# Altium PCB CM4 to FMC Adapter r2.0.PcbDoc (part 2 of 3) (continued)
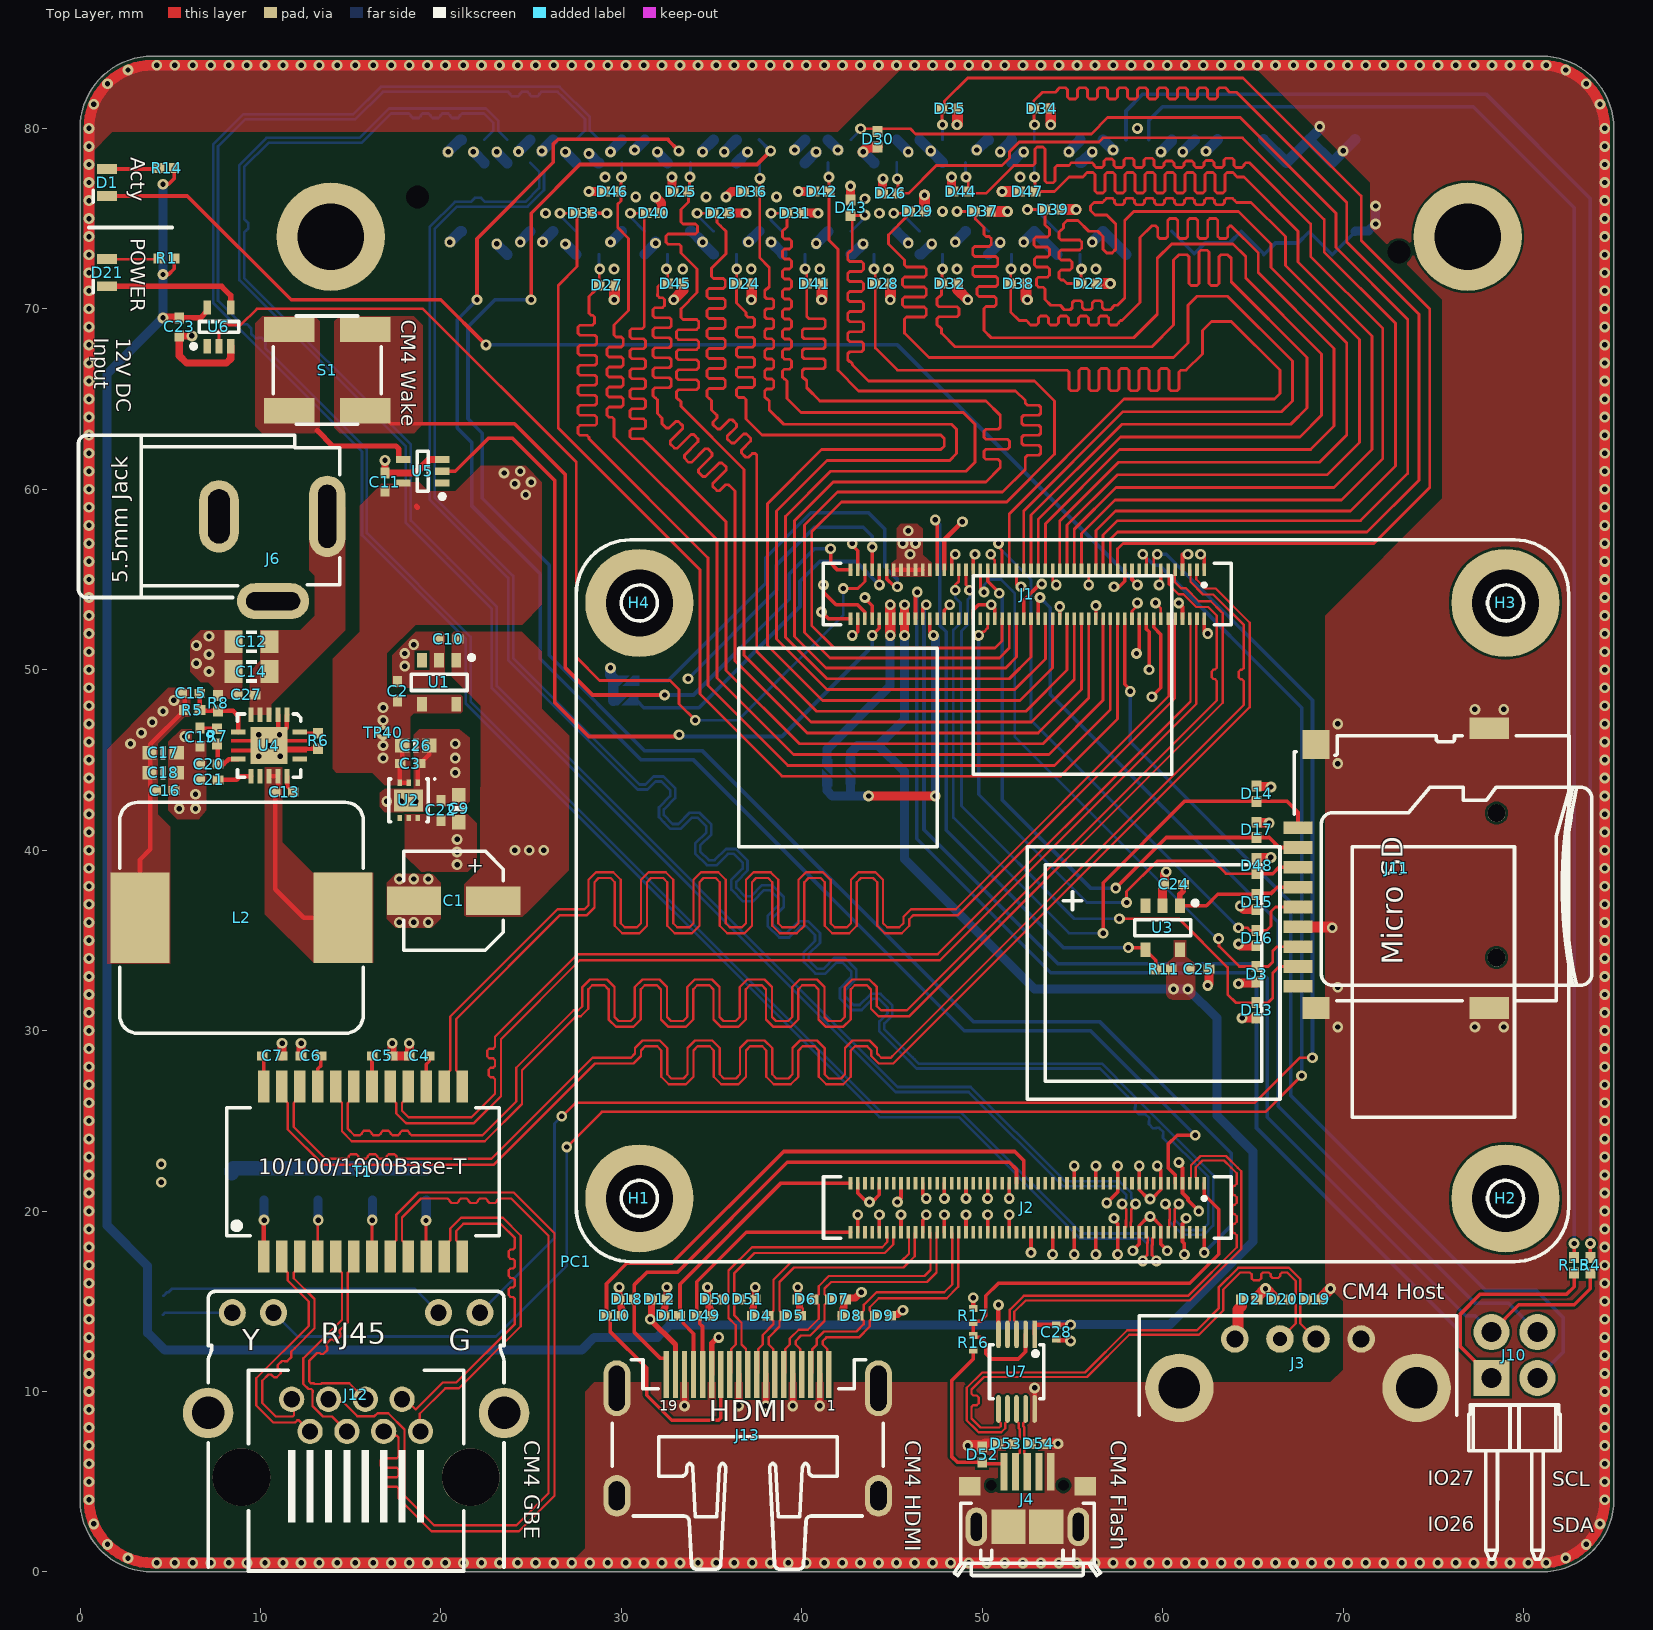
[diagram p0: Top Layer view]
## Nets (pads, with @x,y where several pads share a name; then routed paths per layer and width w, separated by ;. In a path a pad name is that pad's centre, name@x,y a point inside that pad or via, vN(x,y) a via of type N, cw(c..) or ccw(c..) an arc to the next point about the centre after c; other vN are vias at no path point) (continued)
  Bottom Layer w0.2: J14.G32@60.505,74.295 61.75,73.05 62.35,73.65 63.7,73.65 64.35,74.3 65.6,73.05 65.6,73 66.25,73.65 67.5,73.65 68.1,74.25 68.15,74.25 69.4,73 J14.G40@70.65,74.25
  Bottom Layer w0.5: J14.G40@70.665,74.295 70.692,74.322 71.395,74.322 71.773,74.7 v1(71.8,74.7) v1(71.8,75.7)
  Bottom Layer w0.6: v1(8.25,0.5) v1@4,0.5 ; v1(10.25,0.5) v1@4,0.5 ; v1(20.4,78.7) 21.059,79.359 J14.C1@21.133,79.359 ; v1(20.5,73.7) 21.079,74.279 J14.G1@21.133,74.279 ; v1(21.8,78.7) 22.403,78.097 J14.D2@22.403,78.089 ; v1(23.1,73.6) 23.1,73.581 J14.H3@23.673,73.009 ; v1(23.1,78.7) 23.1,78.661 J14.D3@23.673,78.089 ; v1@24.3,78.7 v1(24.3,78.716) J14.C4@24.943,79.359 ; v1(24.4,73.7) 24.4,73.736 J14.G4@24.943,74.279 ; v1(25.25,83.5) v1(22.25,83.5) ; v1@25.6,78.7 v1(25.6,78.746) J14.C5@26.213,79.359 ; v1(25.634,73.7) J14.G5@26.213,74.279 ; v1(26.9,73.591) J14.H6@27.483,73.009 ; v1(26.9,78.7) 26.9,78.671 J14.D6@27.483,78.089 ; v1(28.2,78.6) 28.711,78.089 J14.D7@28.753,78.089 ; v1(29.4,50.1) 29.4,49.7 29.6,49.5 SJ2.2@29.6,49.4 29.55,49.35 SJ4.2@29.55,48.3 ; v1(29.4,73.7) 29.444,73.7 J14.G8@30.023,74.279 ; v1(29.4,78.7) 29.4,78.736 J14.C8@30.023,79.359 ; v1@30.7,78.8 v1(30.734,78.8) J14.C9@31.293,79.359 ; v1(31.25,83.5) v1(22.25,83.5) ; J14.H9@31.295,73.025 v1(31.9,73.63) v1@31.9,73.7 ; v1(32,78.7) 32,78.651 J14.D10@32.563,78.089 ; v1(33.25,83.5) v1(22.25,83.5) ; J14.G11@33.835,74.295 33.905,74.295 v1(34.5,73.7) 34.5,73.63 J14.H12@35.105,73.025 ; v1(34.5,78.7) 34.5,78.756 J14.C12@35.103,79.359 ; v1(35.7,78.7) 36.359,79.359 J14.C13@36.373,79.359 ; v1(36.25,83.5) v1(22.25,83.5) ; J14.D13@36.373,78.089 36.389,78.089 v1(37,78.7) ; v1@37,73.7 v1(37.05,73.7) J14.G14@37.645,74.295 ; v1(38.3,73.7) 38.915,73.085 J14.H15@38.915,73.025 ; v1(39.6,78.8) 39.624,78.8 J14.C16@40.183,79.359 ; J14.D16@40.183,78.089 v1(40.794,78.7) v1@40.8,78.7 ; v1@40.8,73.6 v1(40.8,73.626) J14.G17@41.453,74.279 ; J14.C17@41.453,79.359 42,78.811 v1(42,78.8) ; J14.H18@42.725,73.025 42.825,73.025 v1(43.4,73.6) ; v1(43.4,78.7) 43.993,78.107 J14.D19@43.993,78.089 ; J14.C20@45.263,79.359 45.9,78.721 v1(45.9,78.7) ; J14.G20@45.265,74.295 45.265,74.276 v1(45.898,73.644) ; v1(46.25,0.5) v1(43.25,0.5) ; v1(46.25,83.5) v1(43.25,83.5) ; J14.C21@46.533,79.359 46.541,79.359 v1(47.15,78.75) 47.2,78.7 47.21,78.7 J14.D22@47.805,78.105 ; J14.H21@46.535,73.025 46.625,73.025 v1(47.2,73.6) ; v1(48.5,73.7) 49.075,74.275 J14.G23@49.075,74.295 ; v1@49.65,78.8 v1(49.7,78.8) 50.259,79.359 J14.C24@50.343,79.359 ; v1(50.25,83.5) v1(43.25,83.5) ; J14.H24@50.345,73.025 v1(51,73.68) v1@51,73.7 ; v1(51,78.7) 51.615,79.315 J14.C25@51.615,79.375 ; J14.D25@51.615,78.105 52.21,78.7 v1(52.3,78.7) ; v1(52.25,0.5) v1(50.25,0.5) ; v1(52.25,83.5) v1(43.25,83.5) ; v1(52.3,73.7) 52.885,74.285 J14.G26@52.885,74.295 ; J14.G26@52.883,74.279 J14.H27@54.153,73.009 ; v1(54.8,78.7) 55.425,79.325 J14.C28@55.425,79.375 ; v1(55.25,0.5) v1(50.25,0.5) ; v1(55.25,83.5) v1(43.25,83.5) ; J14.D28@55.425,78.105 55.505,78.105 v1(56.1,78.7) ; v1(56.1,73.7) J14.G29@56.695,74.295 ; J14.G29@56.693,74.279 J14.H30@57.963,73.009 ; J14.C29@56.693,79.359 v1(57.251,78.8) v1@57.3,78.8 ; v1(57.25,83.5) v1(43.25,83.5) ; v1(59.25,0.5) v1(50.25,0.5) ; v1(59.9,78.7) 60.503,79.303 J14.C32@60.503,79.359 ; v1@61.1,78.7 v1(61.114,78.7) J14.C33@61.773,79.359 ; v1(61.25,0.5) v1(50.25,0.5) ; v1(62.4,78.73) J14.C34@63.045,79.375 ; J14.C36@65.585,79.375 J14.D37@66.855,78.105 J14.C38@68.125,79.375 ; v1@68.7,80.15 v1(68.7,80.1) 68.7,79.95 J14.C38@68.125,79.375 ; J14.C40@70.665,79.375 J14.D39@69.395,78.105 J14.C38@68.125,79.375 ; v1(71.25,83.5) v1(68.25,83.5) ; v1(84.5,8) v1(84.5,4) ; v1(84.5,23) v1(84.5,17) ; v1(84.5,24) v1(84.5,17) ; v1(84.5,31) v1(84.5,35) ; v1(84.5,38) v1(84.5,35) ; v1(84.5,52) v1(84.5,48) ; v1(84.5,58) v1(84.5,57) ; v1(84.5,64) v1(84.5,57) ; v1(84.5,71) v1(84.5,68) ; v1(84.5,72) v1(84.5,68) ; v1@4,0.5 cw(c4,4) v1(0.5,4) v1(0.5,5) v1(0.5,6) v1(0.5,7) v1(0.5,8) v1(0.5,9) v1(0.5,10) v1(0.5,11) v1(0.5,12) v1(0.5,13) v1(0.5,14) v1(0.5,15) v1(0.5,16) v1(0.5,17) v1(0.5,18) v1(0.5,19) v1(0.5,20) v1(0.5,21) v1(0.5,22) v1(0.5,23) v1(0.5,24) v1(0.5,25) v1(0.5,26) v1(0.5,27) v1(0.5,28) v1(0.5,29) v1(0.5,30) v1(0.5,31) v1(0.5,32) v1(0.5,33) v1(0.5,34) v1(0.5,35) v1(0.5,36) v1(0.5,37) v1(0.5,38) v1(0.5,39) v1(0.5,40) v1(0.5,41) v1(0.5,42) v1(0.5,43) v1(0.5,44) v1(0.5,45) v1(0.5,46) v1(0.5,47) v1(0.5,48) v1(0.5,49) v1(0.5,50) v1(0.5,51) v1(0.5,52) v1(0.5,53) v1(0.5,54) v1(0.5,55) v1(0.5,56) v1(0.5,57) v1(0.5,58) v1(0.5,59) v1(0.5,60) v1(0.5,61) v1(0.5,62) v1(0.5,63) v1(0.5,64) v1(0.5,65) v1(0.5,66) v1(0.5,67) v1(0.5,68) v1(0.5,69) v1(0.5,70) v1(0.5,71) v1(0.5,72) v1(0.5,73) v1(0.5,74) v1(0.5,75) v1(0.5,76) v1(0.5,77) v1(0.5,78) v1(0.5,79) v1(0.5,80) cw(c4,80) 4,83.5 v1(4.25,83.5) v1(6.25,83.5) v1(7.25,83.5) v1(8.25,83.5) v1(10.25,83.5) v1(11.25,83.5) v1(12.25,83.5) v1(13.25,83.5) v1(14.25,83.5) v1(15.25,83.5) v1(16.25,83.5) v1(17.25,83.5) v1(20.25,83.5) v1(22.25,83.5) ; v1@4,0.5 v1(14.25,0.5) v1(16.25,0.5) v1(17.25,0.5) v1(18.25,0.5) v1(19.25,0.5) v1(20.25,0.5) v1(21.25,0.5) v1(22.25,0.5) v1(23.25,0.5) v1(24.25,0.5) v1(25.25,0.5) v1(26.25,0.5) v1(27.25,0.5) v1(28.25,0.5) v1(29.25,0.5) v1(30.25,0.5) v1(31.25,0.5) v1(32.25,0.5) v1(33.25,0.5) v1(34.25,0.5) v1(35.25,0.5) v1(36.25,0.5) v1(37.25,0.5) v1(38.25,0.5) v1(39.25,0.5) v1(40.25,0.5) v1(41.25,0.5) v1(42.25,0.5) v1(43.25,0.5) ; v1(22.25,83.5) v1(39.25,83.5) v1(42.25,83.5) v1(43.25,83.5) ; v1(43.25,0.5) v1(48.25,0.5) v1(50.25,0.5) ; v1(43.25,83.5) v1(60.25,83.5) v1(62.25,83.5) v1(63.25,83.5) v1(67.25,83.5) v1(68.25,83.5) ; v1(50.25,0.5) v1(64.25,0.5) v1(67.25,0.5) v1(68.25,0.5) v1(71.25,0.5) v1(74.25,0.5) v1(76.25,0.5) v1(79.25,0.5) 81,0.5 ccw(c81,4) v1(84.5,4) ; v1(68.25,83.5) v1(76.25,83.5) v1(78.25,83.5) 81,83.5 cw(c81,80) v1(84.5,80) v1(84.5,78) v1(84.5,68) ; v1(84.5,4) v1(84.5,13) v1(84.5,15) v1(84.5,17) ; v1(84.5,17) v1(84.5,26) v1(84.5,29) v1(84.5,35) ; v1(84.5,35) v1(84.5,42) v1(84.5,46) v1(84.5,48) ; v1(84.5,48) v1(84.5,54) v1(84.5,57) ; v1(84.5,57) v1(84.5,65) v1(84.5,68)
  other v1: 4.25,0.5 6.25,0.5 9.25,0.5 11.25,0.5 15.25,0.5 44.25,0.5 45.25,0.5 47.25,0.5 49.25,0.5 51.25,0.5 53.25,0.5 56.25,0.5 57.25,0.5 58.25,0.5 60.25,0.5 62.25,0.5 63.25,0.5 65.25,0.5 66.25,0.5 69.25,0.5 72.25,0.5 73.25,0.5 75.25,0.5 78.25,0.5 80.25,0.5 81.25,0.5 2.661,0.766 82.339,0.766 1.525,1.525 83.475,1.525 0.766,2.661 84.234,2.661 84.5,5 84.5,9 84.5,10 84.5,12 84.5,14 84.5,16 55.1,17.6 84.5,18 84.5,19 61.3,19.6 84.5,20 45.3,20.5 59.3,20.67 46.9,20.7 47.9,20.7 50.3,20.7 84.5,21 4.5,21.6 4.5,22.6 84.5,27 84.5,28 69.7,30.2 77.3,30.2 78.9,30.2 84.5,32 69.7,32.4 84.5,34 69.4,35.7 17.7,36 18.5,36 19.3,36 84.5,37 17.7,38.4 18.5,38.4 19.3,38.4 84.5,40 84.5,41 5.5,42.3 6.4,42.3 17,42.7 17.8,42.7 18.6,42.7 6.4,43.1 84.5,44 20.8,44.3 69.7,44.8 84.5,45 20.8,45.1 9.9,45.2 11.1,45.2 20.8,45.9 5.8,46.3 11.058,46.393 9.9,46.4 69.7,47 77.3,47.8 78.9,47.8 84.5,49 7.15,49.9 18,50.2 6.45,50.35 7.15,50.85 18,50.9 84.5,51 6.45,51.35 18.495,51.395 7.15,51.85 42.8,51.9 62.5,52 84.5,53 52.15,54.6 84.5,55 84.5,56 61.4,56.4 62.1,56.4 84.5,59 84.5,61 84.5,62 84.5,66 84.5,69 29.6,70.5 37.2,70.5 44.9,70.5 29.6,72.2 33.4,72.2 37.2,72.2 41,72.2 44.8,72.2 48.6,72.2 52.4,72.2 56.3,72.2 84.5,73 84.5,75 25.8,75.3 44.3,75.3 47.8,75.4 84.5,76 43.5,76.1 30.8,76.2 34.7,76.2 38.6,76.2 29.1,77.3 52.1,77.3 70,78.75 84.5,79 58.6,80 0.766,81.339 84.234,81.339 1.525,82.475 83.475,82.475 2.661,83.234 82.339,83.234 5.25,83.5 9.25,83.5 18.25,83.5 19.25,83.5 21.25,83.5 23.25,83.5 24.25,83.5 27.25,83.5 28.25,83.5 29.25,83.5 35.25,83.5 37.25,83.5 40.25,83.5 44.25,83.5 45.25,83.5 47.25,83.5 48.25,83.5 49.25,83.5 51.25,83.5 53.25,83.5 54.25,83.5 56.25,83.5 58.25,83.5 59.25,83.5 61.25,83.5 64.25,83.5 65.25,83.5 69.25,83.5 70.25,83.5 73.25,83.5 74.25,83.5 75.25,83.5 77.25,83.5 79.25,83.5 80.25,83.5 81.25,83.5
GPIO26: J1.24 J10.3 | length 57.5
  Top Layer w0.2: 57.9,50.1 J1.24@57.9,52.82 57.9,49.2 58.25,48.85 v1@58.3,48.8 ; v1(58.2,48.8) v1@58.3,48.8 ; v1@58.3,48.8 58.4,48.8 58.35,48.75 v1@58.3,48.8
  Bottom Layer w0.2: v1(58.2,48.8) 58.2,46 67.1,37.1 67.1,26.4 77.9,15.6 80.7,15.6 82.2,14.1 82.2,12.186 J10.3@80.764,10.75
GPIO27: J1.48 J10.4 | length 54.4
  Top Layer w0.2: J1.48@53.1,52.82 53.1,53.9 v1(53.2,54)
  Bottom Layer w0.2: v1(53.2,54) 53.773,53.427 53.773,48.627 66.4,36 66.4,25.8 77.3,14.9 79.154,14.9 J10.4@80.764,13.29
HDMI0_CEC: D10.1 J2.151 J13.13 | length 41.9
  Top Layer w0.2: J13.13@35.5,10.95 35.5,8.517 35.383,8.4 32.8,8.4 31.4,9.8 31.4,11.3 29.375,13.325 29.375,14.025 29.2,14.2 D10.1@29.175,14.2 29.175,15.975 30.3,17.1 32.8,17.1 39,23.3 51.8,23.3 52.3,22.8 J2.151@52.3,21.55
HDMI0_CLK_N: D50.1 J2.190 J13.12 | length 16.4
  Top Layer w0.127: J13.12@36,10.95 36.086,11.037 36.086,12.35 36.337,12.6 36.337,13.672 35.937,14.072 35.937,14.814 35.862,14.888 35.837,14.888 D50.1@35.625,15.1 35.837,15.312 35.862,15.312 35.937,15.386 35.937,16.699 37.238,18 44.457,18 44.736,18.28 44.736,18.784 J2.190@44.7,18.82
HDMI0_CLK_P: D51.1 J2.188 J13.10 | length 16.4
  Top Layer w0.127: J13.10@37,10.95 36.913,11.037 36.913,12.35 36.664,12.6 36.664,13.808 36.264,14.208 36.264,14.814 36.338,14.888 36.364,14.888 D51.1@36.575,15.1 36.364,15.312 36.338,15.312 36.264,15.386 36.264,16.564 37.373,17.673 44.592,17.673 45.063,18.144 45.063,18.784 J2.188@45.1,18.82
HDMI0_HOTPLUG: D18.1 J2.153 J13.19 | length 30.8
  Top Layer w0.2: J13.19@32.5,10.95 32.5,11.783 32.45,11.833 32.167,11.833 30.725,13.275 D18.1@30.725,15.1 30.725,15.925 31.4,16.6 33.1,16.6 39.2,22.7 51.5,22.7 51.9,22.3 J2.153@51.9,21.55
HDMI0_SCL: D49.1 J2.200 J13.15 | length 14.9
  Top Layer w0.2: J13.15@34.5,10.95 34.5,13.6 34.337,13.763 34.337,14.038 D49.1@34.175,14.2 34.175,16.075 36.92,18.82 J2.200@42.7,18.82
HDMI0_SDA: D11.1 J2.199 J13.16 | length 17.1
  Top Layer w0.2: D11.1@33.225,14.2 D11.1@33.25,14.2 ; J13.16@34,10.95 34,13.2 33.425,13.775 33.425,14.025 D11.1@33.25,14.2 ; J2.199@42.7,21.55 38.85,21.55 33.25,15.95 D11.1@33.25,14.2
HDMI0_TX0_N: D4.1 J2.184 J13.9 | length 15.2
  Top Layer w0.127: J13.9@37.5,10.95 37.586,11.037 37.586,12.35 37.837,12.6 37.837,13.134 38.437,13.734 38.437,13.914 38.362,13.988 38.337,13.988 D4.1@38.125,14.2 38.337,14.412 38.362,14.412 38.437,14.486 38.437,16.199 39.438,17.2 45.5,17.2 45.936,17.636 45.936,18.784 J2.184@45.9,18.82
HDMI0_TX0_P: D5.1 J2.182 J13.7 | length 15.2
  Top Layer w0.127: J13.7@38.5,10.95 38.413,11.037 38.413,12.35 38.163,12.6 38.163,12.999 38.764,13.599 38.764,13.914 38.838,13.988 38.864,13.988 D5.1@39.075,14.2 38.864,14.412 38.838,14.412 38.764,14.486 38.764,16.064 39.573,16.873 45.635,16.873 46.263,17.501 46.263,18.784 J2.182@46.3,18.82
HDMI0_TX1_N: D6.1 J2.178 J13.6 | length 14.9
  Top Layer w0.127: J13.6@39,10.95 39.086,11.037 39.086,12.35 39.336,12.6 39.336,12.935 39.828,13.427 40.327,13.427 40.937,14.037 40.937,14.814 40.862,14.888 40.837,14.888 D6.1@40.625,15.1 40.837,15.312 40.862,15.312 40.937,15.386 40.937,15.837 41.5,16.4 46.8,16.4 47.136,16.736 47.136,18.461 47.136,18.784 J2.178@47.1,18.82
HDMI0_TX1_P: D7.1 J2.176 J13.4 | length 14.9
  Top Layer w0.127: J13.4@40,10.95 39.913,11.037 39.913,12.35 39.663,12.6 39.663,12.8 39.963,13.1 40.462,13.1 41.264,13.901 41.264,14.814 41.338,14.888 41.364,14.888 D7.1@41.575,15.1 41.364,15.312 41.338,15.312 41.264,15.386 41.264,15.701 41.635,16.073 46.935,16.073 47.463,16.601 47.463,18.461 47.463,18.784 J2.176@47.5,18.82
HDMI0_TX2_N: D8.1 J2.172 J13.3 | length 14.7
  Top Layer w0.127: J13.3@40.5,10.95 40.586,11.037 40.586,12.35 40.837,12.6 40.837,12.935 41.228,13.327 43.029,13.327 43.437,13.734 43.437,13.914 43.362,13.988 43.337,13.988 D8.1@43.125,14.2 43.337,14.412 43.362,14.412 43.437,14.486 43.437,14.801 44.136,15.5 47.9,15.5 48.336,15.936 48.336,18.784 J2.172@48.3,18.82
HDMI0_TX2_P: D9.1 J2.170 J13.1 | length 14.7
  Top Layer w0.127: J13.1@41.5,10.95 41.414,11.037 41.414,12.35 41.164,12.6 41.164,12.8 41.364,13 43.164,13 43.764,13.599 43.764,13.914 43.838,13.988 43.864,13.988 D9.1@44.075,14.2 43.864,14.412 43.838,14.412 43.764,14.486 43.764,14.666 44.271,15.173 48.035,15.173 48.663,15.801 48.663,18.784 J2.170@48.7,18.82
NetC4_2: C4.2 T1.15 | length 1.8
  Top Layer w0.2: T1.15@19.182,26.895 19.182,28.132 19.35,28.3 C4.2@19.35,28.6
NetC5_2: C5.2 T1.18 | length 1.7
  Top Layer w0.2: T1.18@16.182,26.895 16.182,28.582 C5.2@16.2,28.6
NetC6_2: C6.2 T1.21 | length 1.8
  Top Layer w0.2: T1.21@13.182,26.895 13.182,27.882 13.35,28.05 C6.2@13.35,28.6
NetC7_2: C7.2 T1.24 | length 1.7
  Top Layer w0.2: C7.2@10.1,28.6 10.182,28.518 T1.24@10.182,26.895
NetC8_1: C8.1 R2.2 R3.2 R9.2 R10.2 | length 11
  Bottom Layer w0.8: C8.1@8.4,22.1 8.4,22.275 8.5,22.375 R10.2@10.2,22.375 R9.2@13.2,22.375 R2.2@19.2,22.375
NetC13_1: C13.1 U4.13 | length 1
  Top Layer w0.25: U4.13@11.479,44.096 11.479,43.56 C13.1@11.818,43.221
NetC13_2: C13.2 L2.1 U4.11 U4.12 | length 11.2
  Top Layer w0.25: U4.11@10.479,44.096 U4.12@10.979,44.096 10.979,43.383 C13.2@10.818,43.221 10.818,37.832 12.4,36.25 L2.1@14.575,36.25
NetC15_1: C15.1 R5.1 R8.2 U4.7 | length 4.1
  Top Layer w0.25: C15.1@6.64,48.688 6.644,48.684 R5.1@6.644,47.757 6.682,47.719 R8.2@7.656,47.719 8.481,47.719 8.779,47.421 U4.7@8.779,46.546
NetC19_1: C19.1 R7.1 | length 0.9
  Top Layer w0.2: C19.1@6.655,46.761 7.489,46.761 R7.1@7.55,46.7
NetC20_1: C20.1 R7.2 U4.8 | length 2.4
  Top Layer w0.25: R7.2@7.6,45.875 7.639,45.836 C20.1@7.639,44.774 7.974,44.774 8.246,45.046 U4.8@8.779,45.046
NetC21_1: C21.1 U4.9 | length 1.9
  Top Layer w0.25: C21.1@7.639,43.897 8.697,43.897 8.896,44.096 U4.9@9.479,44.096
NetC24_1: C24.1 D15.1 J11.4 U3.1 | length 8.2
  Top Layer w0.2: U3.1@60.95,36.925 62.425,36.925 63.05,37.55 D15.1@65.2,37.55 65.25,37.6 66,37.6 66.35,37.95 J11.4@67.5,37.95
  Top Layer w0.3: U3.1@60.95,36.925 60.95,37.55 61.15,37.75 C24.1@61.15,38.1
NetD1_2: D1.2 R14.1 | length 2.9
  Top Layer w0.2: D1.2@1.5,77.75 4.325,77.75 R14.1@4.375,77.8
NetD21_1: D21.1 U6.4 | length 7.7
  Top Layer w0.3: D21.1@1.5,71.25 7.85,71.25 8.35,70.75 U6.4@8.35,70.075
NetD21_2: D21.2 R1.1 | length 2.9
  Top Layer w0.15: D21.2@1.5,72.75 4.325,72.75 R1.1@4.375,72.8
NetD52_1: D52.1 J4.1 R16.1 | length 10.4
  Top Layer w0.2: R16.1@49.5,12.305 49.5,11.8 48.3,10.6 48.3,6.4 48.625,6.075 49.725,6.075 49.8,6 51.1,6 51.2,5.9 J4.1@51.2,5.05
NetJ1_16: J1.16 TP7.1 | length 4.7
  Top Layer w0.2: v1(59.4,48.5) 59.9,49 59.9,51.95 59.5,52.35 J1.16@59.5,52.82
NetJ1_18: J1.18 TP8.1 | length 3.1
  Top Layer w0.2: J1.18@59.1,52.82 59.1,52.25 59.25,52.1 v1(59.25,50)
  Bottom Layer w0.2: TP8.1@59.2,50.2 59.25,50.15 v1(59.25,50)
NetJ1_20: J1.20 TP9.1 | length 2.2
  Top Layer w0.2: v1(58.55,50.9) 58.55,51.008 58.7,51.158 J1.20@58.7,52.82
  Bottom Layer w0.2: v1(58.55,50.9) 58.6,50.95 TP9.1@58.6,51.1
NetJ1_73: J1.73 TP1.1 | length 3.1
  Top Layer w0.25: J1.73@47.9,55.55 47.9,57.2 v1(48.9,58.2)
NetJ1_78: J1.78 SJ1.1 SJ3.1 | length 17.3
  Top Layer w0.2: J1.78@47.1,52.82 47.1,52.1 v1(47.3,51.9)
  Top Layer w0.5: v1(43.7,43) v1(47.4,43)
  Bottom Layer w0.2: v1(47.3,51.9) v1@47.4,51.8
  Bottom Layer w0.5: SJ3.1@41.4,43.65 41.4,43.3 41.7,43 42.7,43 ; SJ1.1@42.7,43.75 42.7,43 ; v1(43.7,43) 42.7,43 ; v1@47.333,51.867 47.319,51.854 47.4,51.773 v1(47.4,43)
NetJ1_93: J1.93 TP11.1 | length 16.6
  Top Layer w0.2: J1.93@43.9,55.55 v1(43.9,56.8)
  Bottom Layer w0.2: v1(33.7,49.5) 38.6,54.4 38.6,55.8 40.7,57.9 43.4,57.9 43.9,57.4 v1(43.9,56.8)
NetJ1_94: J1.94 TP2.1 | length 1.3
  Top Layer w0.2: v1(43.5,54) 43.5,53.951 43.9,53.551 J1.94@43.9,52.82
NetJ1_96: J1.96 TP4.1 | length 3.5
  Top Layer w0.2: v1(41.2,54.7) 41.224,54.676 41.224,54.276 41.9,53.6 43.091,53.6 43.5,53.191 J1.96@43.5,52.82
NetJ1_97: J1.97 TP5.1 | length 1.6
  Top Layer w0.2: v1(42.8,57) 42.8,56.892 43.1,56.592 J1.97@43.1,55.55
NetJ1_100: J1.100 TP6.1 | length 1.8
  Top Layer w0.2: v1(41.1,53.2) 41.48,52.82 J1.100@42.7,52.82
NetJ12_10: J12.10 R13.2 | length 16
  Bottom Layer w0.15: R13.2@4.625,15.3 4.825,15.5 4.913,15.5 5.113,15.7 18.54,15.7 J12.10@19.87,14.37
NetJ12_12: J12.12 R12.2 | length 3.9
  Bottom Layer w0.15: R12.2@4.6,14.25 4.72,14.37 J12.12@8.44,14.37
NetJ14_C30: J14.C30 R4.2 | length 88.8
  Top Layer w0.2: R4.2@83.7,17.425 v1(83.7,18.2)
  Bottom Layer w0.2: J14.C30@57.965,79.375 57.965,80.965 58.9,81.9 77.914,81.9 83.7,76.114 v1(83.7,18.2)
NetJ14_C31: J14.C31 R15.2 | length 85.4
  Top Layer w0.2: R15.2@82.8,17.425 v1(82.8,18.2)
  Bottom Layer w0.2: J14.C31@59.235,79.375 59.235,80.435 59.993,81.193 77.207,81.193 82.8,75.6 v1(82.8,18.2)
NetR2_1: R2.1 T1.10 | length 3.2
  Top Layer w0.15: v1(19.175,19.478) 19.175,17.481 T1.10@19.182,17.475
  Bottom Layer w0.5: v1(19.175,19.478) 19.188,19.491 19.188,20.613 R2.1@19.2,20.625
NetR3_1: R3.1 T1.7 | length 3.1
  Top Layer w0.15: T1.7@16.182,17.475 v1@16.182,19.482
  Bottom Layer w0.5: v1(16.2,19.5) R3.1@16.2,20.625
NetR6_2: R6.2 U4.1 | length 1.1
  Top Layer w0.15: U4.1@12.179,46.546 ccw(c12.217,46.546) 12.217,46.509 R6.2@13.276,46.509
NetR9_1: R9.1 T1.4 | length 3.1
  Top Layer w0.15: T1.4@13.182,17.475 v1@13.182,19.482
  Bottom Layer w0.5: v1(13.2,19.5) R9.1@13.2,20.625
NetR10_1: R10.1 T1.1 | length 3.1
  Top Layer w0.25: T1.1@10.182,17.475 v1@10.182,19.482
  Bottom Layer w0.5: v1(10.2,19.5) R10.1@10.2,20.625
NetS1_1: S1.1 S1.2 U5.4 | length 5.7
  Top Layer w0.3: 13.15,63.25 14,62.4 17.499,62.4 17.675,62.224 17.675,61.7 17.725,61.65 U5.4@17.925,61.65
PCIe_CLK_N: J2.112 J14.D5 | length 108.9
  Top Layer w0.146: v1(60.15,20.4) 60.15,20.326 60.389,20.087 60.389,19.527 60.363,19.502 60.363,19.134 60.3,19.07 J2.112@60.3,18.82
  Bottom Layer w0.146: J14.D5@26.215,78.105 25.716,77.607 25.716,76.58 24.797,75.66 20.897,75.66 19.65,74.414 19.65,59.55 24,55.2 24,50.65 28.2,46.45 30.906,43.744 31.014,43.636 31.339,43.636 31.783,44.08 32.334,44.08 32.98,43.434 32.98,42.884 32.358,42.262 32.358,41.938 32.844,41.452 33.169,41.452 33.79,42.074 34.341,42.074 34.987,41.428 34.987,40.877 34.365,40.256 34.365,39.931 34.851,39.445 35.175,39.445 35.797,40.067 36.347,40.067 36.993,39.421 36.993,38.871 36.372,38.249 36.372,37.925 36.858,37.439 37.182,37.439 37.804,38.06 38.354,38.06 39,37.414 39,36.864 38.378,36.242 38.378,35.918 38.865,35.432 39.189,35.432 39.811,36.053 40.361,36.053 41.007,35.407 41.007,34.857 40.385,34.235 40.385,33.911 40.871,33.425 41.196,33.425 41.817,34.047 42.368,34.047 43.014,33.401 43.014,32.85 42.392,32.229 42.392,31.904 42.878,31.418 43.202,31.418 43.824,32.04 44.374,32.04 45.02,31.394 45.02,30.843 44.576,30.399 44.576,30.074 46.136,28.514 46.244,28.406 46.477,28.173 56.627,28.173 58.247,26.553 62.8,22 62.8,19.2 62.277,18.677 61.13,18.677 60.389,19.418 60.389,20.087 60.15,20.326 v1(60.15,20.4)
PCIe_CLK_nREQ: J2.102 J14.C14 | length 101
  Top Layer w0.2: v1(25,70.5) 25,75.3 27.7,78 37.52,78 v1(38.27,78.75) ; v1(62.3,17.7) J2.102@62.3,18.82
  Bottom Layer w0.2: v1(25,70.5) 23,70.5 21.5,69 21.5,63.9 22.3,63.1 22.3,59.5 26,55.8 26,50.8 31.3,45.5 34.5,45.5 49.5,30.5 56.5,30.5 62,25 63.8,23.2 63.8,19.2 v1(62.3,17.7) ; J14.C14@37.645,79.375 v1(38.27,78.75)
PCIe_CLK_P: J2.110 J14.D4 | length 108.9
  Top Layer w0.146: J2.110@60.7,18.82 60.7,19.07 60.636,19.134 60.636,19.389 60.661,19.414 60.661,20.087 60.9,20.326 v1(60.9,20.4)
  Bottom Layer w0.146: J14.D4@24.945,78.105 25.444,77.606 25.444,76.693 24.683,75.933 24,75.933 22.437,75.933 22.328,76.043 22.219,76.152 21.891,76.152 21.782,76.043 21.673,75.933 21.6,75.933 20.783,75.933 19.377,74.527 19.377,59.437 23.727,55.087 23.727,50.537 28.101,46.163 30.713,43.551 30.821,43.443 30.901,43.363 31.452,43.363 31.897,43.807 32.221,43.807 32.707,43.321 32.707,42.997 32.085,42.375 32.085,41.825 32.364,41.546 32.731,41.179 33.282,41.179 33.903,41.801 34.227,41.801 34.714,41.315 34.714,40.99 34.092,40.369 34.092,39.818 34.738,39.172 35.288,39.172 35.91,39.794 36.234,39.794 36.72,39.308 36.72,38.984 36.099,38.362 36.099,37.812 36.745,37.166 37.295,37.166 37.917,37.787 38.241,37.787 38.727,37.301 38.727,36.977 38.105,36.355 38.105,35.805 38.752,35.159 39.302,35.159 39.924,35.78 40.248,35.78 40.734,35.294 40.734,34.97 40.112,34.348 40.112,33.798 40.758,33.152 41.309,33.152 41.93,33.774 42.254,33.774 42.741,33.287 42.741,32.963 42.119,32.342 42.119,31.791 42.765,31.145 43.315,31.145 43.937,31.767 44.261,31.767 44.747,31.281 44.747,30.957 44.303,30.512 44.303,29.961 45.943,28.321 46.051,28.213 46.364,27.9 56.514,27.9 58.054,26.36 58.491,25.922 58.491,25.768 58.469,25.746 58.469,25.591 58.701,25.36 58.855,25.36 58.878,25.382 59.032,25.382 59.264,25.15 59.264,24.996 59.241,24.974 59.241,24.819 59.473,24.587 59.627,24.587 59.65,24.61 59.804,24.61 60.036,24.378 60.036,24.224 60.017,24.204 60.017,24.05 60.248,23.818 60.403,23.818 60.422,23.838 60.576,23.838 61.807,22.607 62.527,21.887 62.527,19.313 62.164,18.95 61.243,18.95 60.661,19.531 60.661,20.087 60.9,20.326 v1(60.9,20.4)
PCIe_nRST: J2.109 J14.C10 | length 92.2
  Top Layer w0.2: v1(22,70.5) 22,73.89 26.233,78.123 26.233,79.133 26.5,79.4 32.54,79.4 ; 32.59,79.4 32.54,79.4 ; v1(33.19,78.75) 32.54,79.4 ; J2.109@60.7,21.55 60.7,22 60.3,22.4 60.3,23.7 60.8,24.2 v1(61.8,24.2)
  Bottom Layer w0.2: v1(22,70.5) 20.9,69.4 20.9,63.4 21.7,62.6 21.7,59.1 25.5,55.3 25.5,50.6 31.1,45 34,45 49,30 56,30 v1(61.8,24.2) ; J14.C10@32.565,79.375 v1(33.19,78.75)
PCIe_RX_N: J2.118 J14.C7 | length 114.1
  Top Layer w0.146: v1(58.9,17.24) 58.9,17.314 59.138,17.553 59.138,18.226 59.163,18.251 59.163,18.507 59.1,18.57 J2.118@59.1,18.82
  Bottom Layer w0.146: J14.C7@28.755,79.375 28.256,79.874 28.256,80.63 26.586,82.3 16.667,82.3 15.14,80.773 9.037,80.773 7.377,79.113 7.377,70.337 10.507,67.207 15.627,62.087 15.627,57.46 21.377,51.71 21.377,48.123 44.3,25.2 48.7,25.2 55.337,18.563 55.417,18.483 58.867,18.483 59.138,18.212 59.138,17.553 58.9,17.314 v1(58.9,17.24)